# Altium PCB UmTRXv21.PcbDoc (part 6 of 19) (continued)
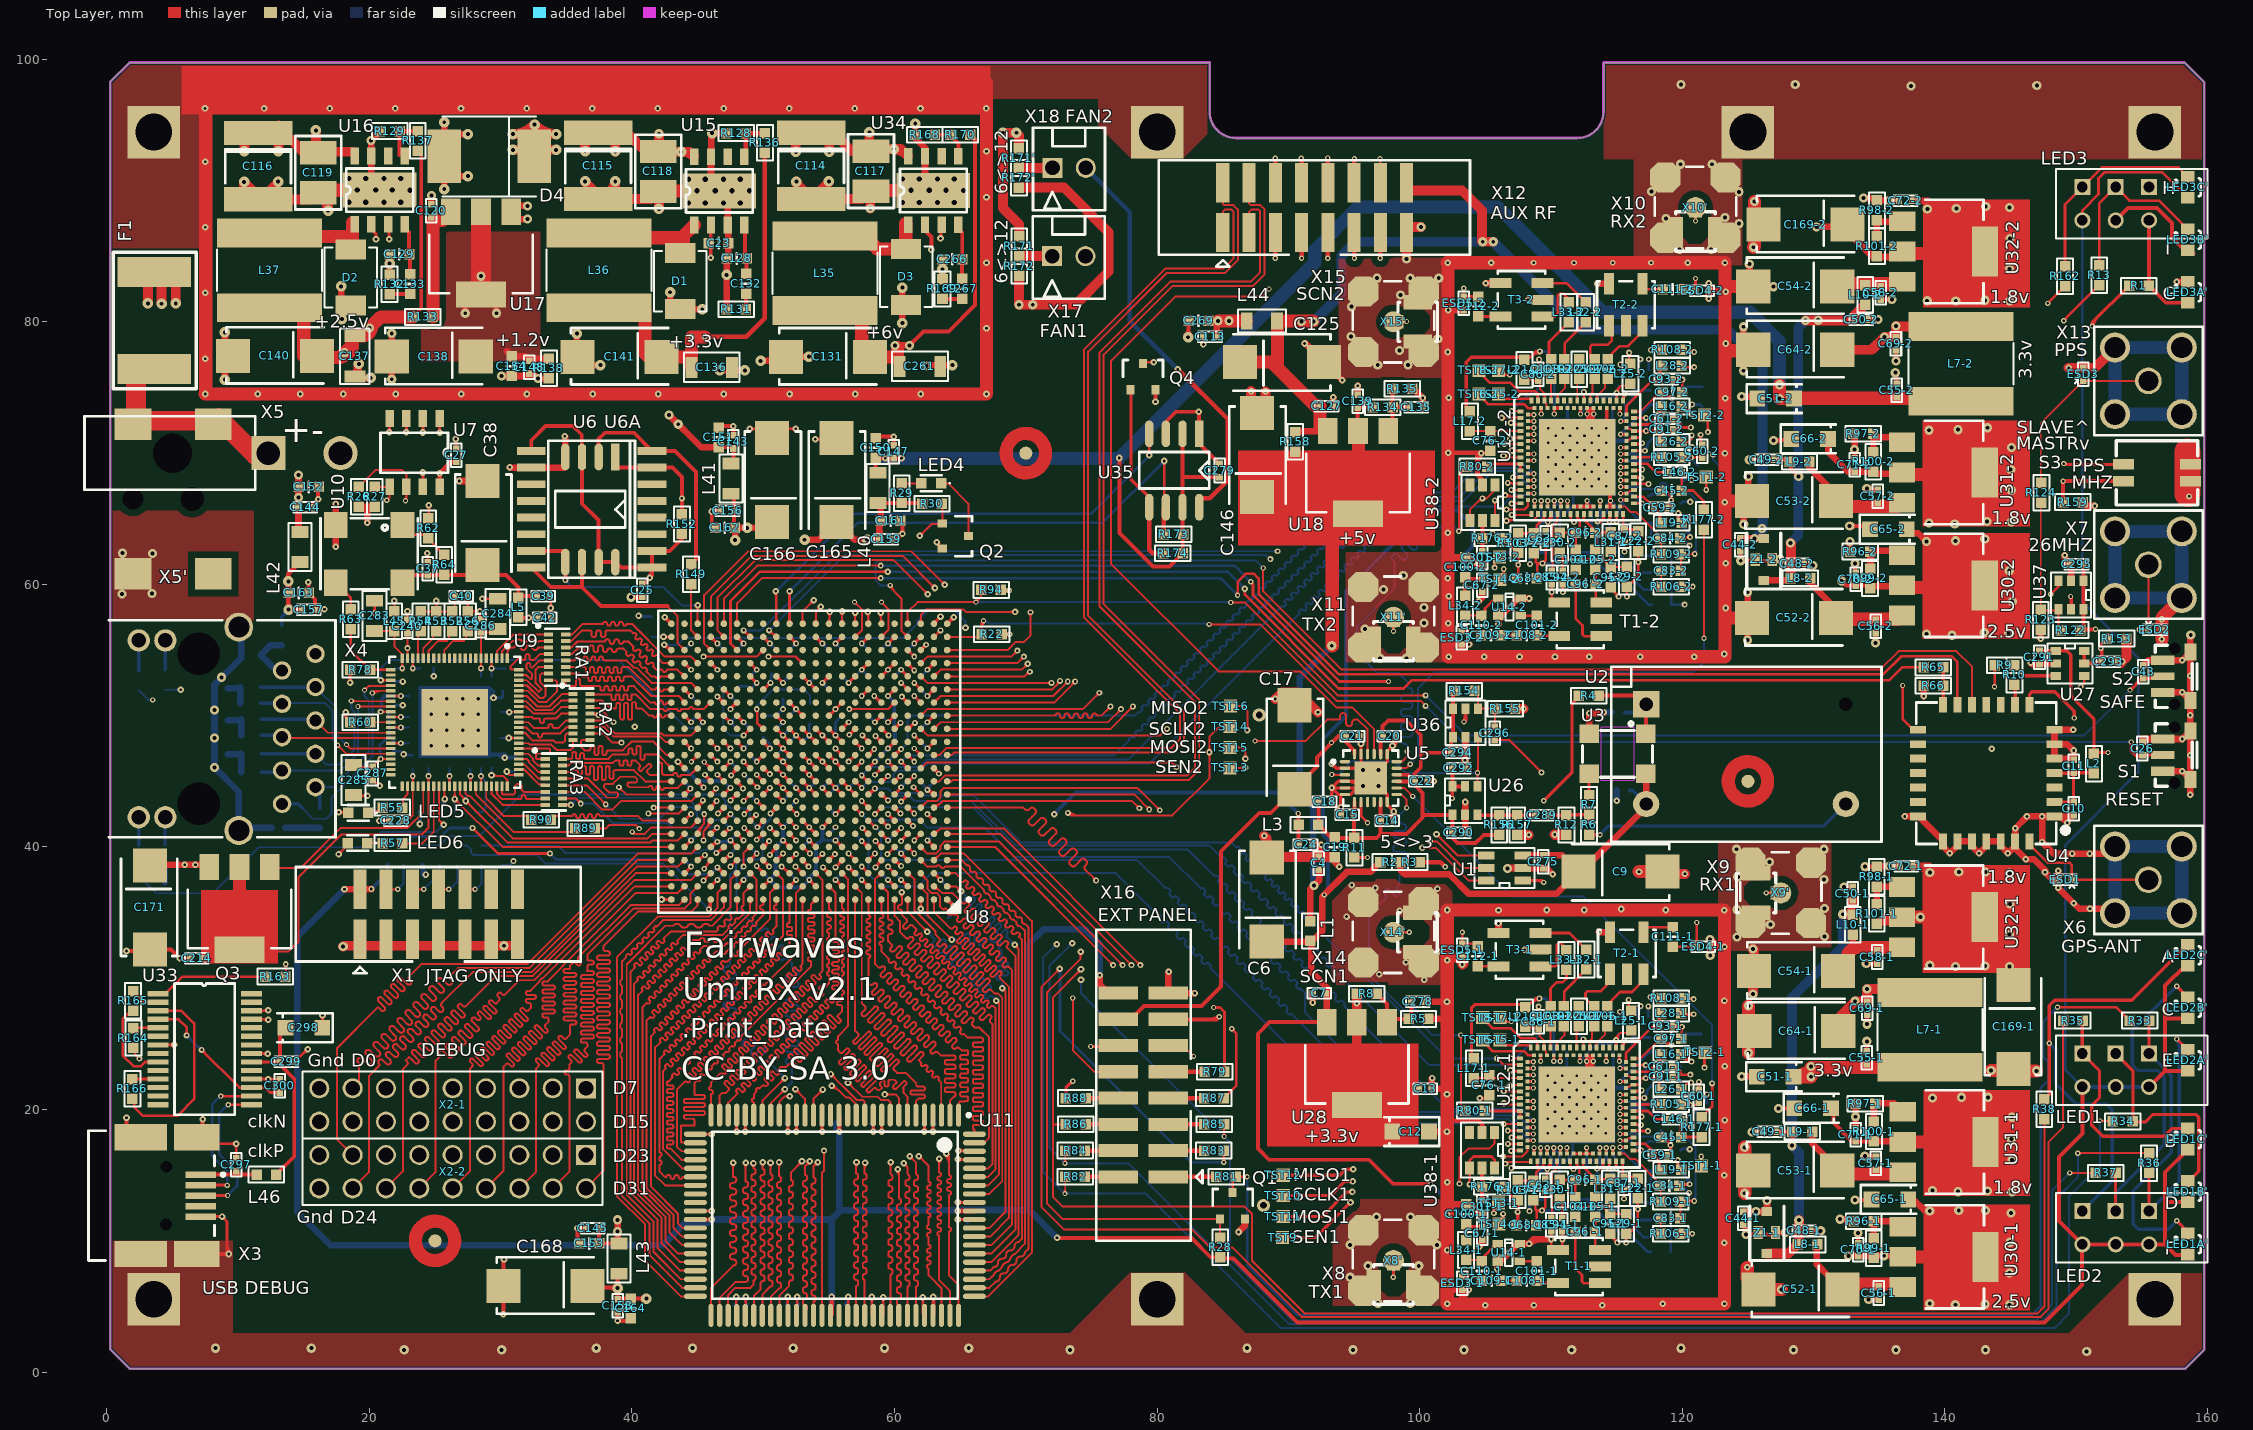
[diagram p0: Top Layer view]
## Nets (pads, with @x,y where several pads share a name; then routed paths per layer and width w, separated by ;. In a path a pad name is that pad's centre, name@x,y a point inside that pad or via, vN(x,y) a via of type N, cw(c..) or ccw(c..) an arc to the next point about the centre after c; other vN are vias at no path point) (continued)
  MidLayer1 w0.15: v4(3.5,51.2) 10.7,51.2 12.25,49.65 14.075,49.65 15.325,50.9 16.75,50.9 17.425,51.575 17.425,53.025 18.5,54.1 45.85,54.1 46.25,54.5 v1(50.4,54.5) ; v4@3.588,51.112 cw(c3.802,50.898) 3.802,51.2 cw(c3.802,51.502) v4@3.588,51.288 ; v1@50.294,54.394 ccw(c50.038,54.138) 50.038,54.5 ccw(c50.038,54.862) v1@50.294,54.606
  Bottom Layer w0.15: R42.2@2.425,51.925 3.15,51.2 v4(3.5,51.2) ; v4@3.412,51.112 ccw(c3.198,50.898) 3.198,51.2 ccw(c3.198,51.502) v4@3.412,51.288
FAN_ON: U8.AB14 U35.4 | length 38.9
  Top Layer w0.2: v2@50.844,59.369 cw(c50.467,58.992) 51,58.992 ; U8.AB14@50.894,57.106 ccw(c50.638,57.362) 51,57.362 ccw(c51.362,57.362) U8.AB14@51.106,57.106 ; v2(50.95,59.475) 51,59.425 U8.AB14@51,57 ; v2(79.4,69.825) U35.4@79.4,71.929
  Bottom Layer w0.2: v2(50.95,59.475) 56.85,65.375 74.95,65.375 v2(79.4,69.825) ; v2@50.95,59.625 ccw(c50.95,59.987) 51.206,59.731 ccw(c51.462,59.475) v2@51.1,59.475
FLASH_CLK: U6.6 U6A.16 U8.Y21 | length 18.7
  Top Layer w0.15: U6A.16@32.325,61.28 U6A.16@32.995,61.28 ; 42.7,58.35 43.45,57.6 43.45,55.55 U8.Y21@44,55 ; U8.Y21@43.825,55 ccw(c43.403,55) 43.701,55.299 ccw(c44,55.597) U8.Y21@44,55.175
  Top Layer w0.3: U6A.16@32.325,61.28 33.82,59.785 36.19,59.785 ; U6.6@36.19,61.7 36.19,59.785 ; 42.7,58.35 37.625,58.35 36.19,59.785
FLASH_CS: R152.2 U6.1 U6A.7 U8.T5 | length 40.6
  Top Layer w0.15: v1(56.55,50.5) 59.5,50.5 U8.T5@60,51 ; v1@56.656,50.394 cw(c56.912,50.138) 56.912,50.5 cw(c56.912,50.862) v1@56.656,50.606 ; U8.T5@59.825,51 cw(c59.403,51) 59.701,50.701 cw(c60,50.403) U8.T5@60,50.825
  Top Layer w0.3: U6.1@38.73,69.7 38.73,69.145 38.975,68.9 U6A.7@41.525,68.9 43.075,68.9 43.8,68.175 v1(43.8,66.55) R152.2@43.8,65.35
  Mid-Layer 2 w0.15: v1@43.694,66.444 cw(c43.498,66.248) 43.775,66.248 ; 43.775,66.128 cw(c44.222,66.128) v1@43.906,66.444 ; v1(43.8,66.55) 43.775,66.525 43.775,57.325 46.075,55.025 53.576,55.025 56.05,52.551 56.05,51 v1(56.55,50.5) ; v1@56.4,50.5 ccw(c56.038,50.5) 56.294,50.756 ccw(c56.55,51.012) v1@56.55,50.65
FLASH_MISO: R149.1 U8.AA20 | length 4.8
  Top Layer w0.15: R149.1@44.5,59.962 44.5,56.5 U8.AA20@45,56 ; U8.AA20@44.825,56 ccw(c44.403,56) 44.701,56.299 ccw(c45,56.597) U8.AA20@45,56.175
FLASH_MOSI: U6.5 U6A.15 U8.AB20 | length 19.6
  Top Layer w0.15: U6.5@34.77,62.555 U6.5@34.92,62.405 ; U8.AB20@44.876,57.124 ccw(c44.578,57.422) 45,57.422 ccw(c45.422,57.422) U8.AB20@45.124,57.124 ; v2@44.876,58.276 cw(c44.578,57.978) 45,57.978 cw(c45.422,57.978) v2@45.124,58.276 ; U8.AB20@45,57 v2(45,58.4)
  Top Layer w0.3: U6A.15@32.325,62.555 U6.5@34.77,62.555 ; v1(34.92,60.32) U6.5@34.92,61.7 U6.5@34.92,62.405
  Bottom Layer w0.15: v1@34.92,60.17 cw(c34.92,59.808) 35.176,60.064 cw(c35.432,60.32) v1@35.07,60.32 ; v1(34.92,60.32) 35.44,59.8 42.4,59.8 43.8,58.4 v2(45,58.4) ; v2@44.876,58.276 ccw(c44.578,57.978) 44.578,58.4 ccw(c44.578,58.822) v2@44.876,58.524
FPGA_PRG_B: C26.1 R22.2 S1.1 U8.AA1 X16.11 | length 146.8
  Top Layer w0.15: U8.AA1@64,56 66.4,56 R22.2@66.625,56.225 ; U8.AA1@64.124,55.876 cw(c64.422,55.578) 64.422,56 cw(c64.422,56.422) U8.AA1@64.124,56.124 ; R22.2@66.625,56.561 cw(c67.439,56.561) v4@66.863,57.137 ; 66.625,56.923 cw(c67.077,56.923) v4@66.757,57.243 ; R22.2@66.65,56.2 R22.2@66.625,56.225 ; v4@66.655,57.191 cw(c66.542,57.158) 66.625,57.075 ; v4@66.741,57.105 ccw(c66.708,56.992) 66.625,57.075 ; v4(66.775,57.225) 66.625,57.075 ; X16.11@80.85,24.875 81.95,24.875 v4(82.775,24.05) ; v4@82.65,24.05 ccw(c82.348,24.05) 82.562,24.263 ccw(c82.775,24.477) v4@82.775,24.175 ; v4(83.954,56.953) 87.847,56.953 93.675,51.125 100.075,51.125 v1(100.45,50.75) ; v4@84.042,56.864 cw(c84.256,56.651) 84.256,56.953 cw(c84.256,57.255) v4@84.042,57.041 ; R22.2@66.625,56.225 66.625,57.075
  Top Layer w0.25: v4(154.2,48) 154.2,47.3 154.6,46.9 154.95,46.9 C26.1@155.05,47 S1.1@156.6,47
  Mid-Layer 2 w0.15: v4@66.775,57.1 cw(c66.775,56.798) 66.988,57.012 cw(c67.202,57.225) v4@66.9,57.225 ; v4(66.775,57.225) 67.125,56.875 67.125,41.07 75.125,33.07 75.125,31.7 v4(82.775,24.05) ; v4@82.65,24.05 ccw(c82.348,24.05) 82.562,24.263 ccw(c82.775,24.477) v4@82.775,24.175 ; v4@83.882,57.025 v4(83.954,56.953)
  Bottom Layer w0.15: v4@66.766,57.248 cw(c66.868,56.991) 67.063,57.187 ; v4(66.775,57.225) 67.025,57.225 ; v4@66.821,57.109 cw(c66.959,56.759) 67.225,57.025 ; v4@66.875,57.15 cw(c67.025,57.038) 67.025,57.225 ; v4@66.875,57.3 ccw(c67.025,57.412) 67.025,57.225 ; 83.478,57.025 cw(c83.478,56.477) v4@83.866,56.864 ; v4@83.882,57.025 67.225,57.025 ; v1@100.45,50.6 cw(c100.45,50.238) 100.706,50.494 cw(c100.962,50.75) v1@100.6,50.75 ; v1(100.45,50.75) 103.2,48 v4(154.2,48) ; v4@154.112,47.912 ccw(c153.898,47.698) 153.898,48 ccw(c153.898,48.302) v4@154.112,48.088 ; 67.025,57.225 67.225,57.025
FPGA_SAFE: C43.2 R94.2 S2.1 U8.AB4 X16.10 | length 151.8
  Top Layer w0.15: U8.AB4@60.876,57.124 ccw(c60.578,57.422) 61,57.422 ccw(c61.422,57.422) U8.AB4@61.124,57.124 ; U8.AB4@61,57 61,57.9 61.75,58.65 v4(66.2,58.65) 66.6,59.05 R94.2@66.6,59.55 ; v4@66.112,58.562 ccw(c65.898,58.348) 65.898,58.65 ccw(c65.898,58.952) v4@66.112,58.738 ; v4@66.2,58.775 ccw(c66.2,59.077) 66.413,58.863 ccw(c66.627,58.65) v4@66.325,58.65 ; v4@73.487,28.412 cw(c73.273,28.198) 73.575,28.198 cw(c73.877,28.198) v4@73.663,28.412 ; v4(73.575,28.5) 73.575,24.525 75.225,22.875 X16.10@77.05,22.875 ; v4(85.6,58.625) 86.675,58.625 93.75,51.55 v1(100.45,51.55) ; v4@85.688,58.537 cw(c85.902,58.323) 85.902,58.625 cw(c85.902,58.927) v4@85.688,58.713 ; v1@100.344,51.444 ccw(c100.088,51.188) 100.088,51.55 ccw(c100.088,51.912) v1@100.344,51.656
  Top Layer w0.25: v4(154.1,51.95) 155,52.85 C43.2@155.1,52.85 156.45,52.85 S2.1@156.6,53
  Mid-Layer 2 w0.15: v4@66.112,58.562 cw(c65.898,58.348) 66.2,58.348 cw(c66.502,58.348) v4@66.288,58.562 ; v4(66.2,58.65) 66.2,56.825 66.7,56.325 66.7,40.75 74.7,32.75 74.7,29.625 v4(73.575,28.5) ; v4@73.575,28.625 ccw(c73.575,28.927) 73.788,28.713 ccw(c74.002,28.5) v4@73.7,28.5
  Bottom Layer w0.15: v4(66.2,58.65) 85.575,58.65 v4(85.6,58.625) ; v4@66.288,58.562 cw(c66.502,58.348) 66.502,58.65 cw(c66.502,58.952) v4@66.288,58.738 ; 85.238,58.65 cw(c85.238,58.263) v4@85.512,58.537 ; 85.359,58.65 ccw(c85.359,58.866) v4@85.512,58.713 ; v1@100.45,51.4 cw(c100.45,51.038) 100.706,51.294 cw(c100.962,51.55) v1@100.6,51.55 ; v1(100.45,51.55) 103.5,48.5 150.63,48.5 154.08,51.95 v4(154.1,51.95)
GMII_COL: RA2.11 U8.N22 | length 7.3
  Top Layer w0.15: RA2.11@36.8,49.15 37.85,49.15 38.6,48.4 42.15,48.4 42.55,48 U8.N22@43,48 ; U8.N22@42.876,47.876 ccw(c42.578,47.578) 42.578,48 ccw(c42.578,48.422) U8.N22@42.876,48.124
GMII_CRS: RA2.12 U8.P20 | length 9.5
  Top Layer w0.15: RA2.12@36.8,49.65 37.704,49.65 38.704,48.65 42.254,48.65 42.404,48.5 44.5,48.5 U8.P20@45,49 ; U8.P20@44.825,49 cw(c44.403,49) 44.701,48.701 cw(c45,48.403) U8.P20@45,48.825
GMII_GTX_CLK: RA2.14 U8.H21 | length 15.9
  Top Layer w0.15: RA2.14@36.85,50.6 37.5,50.6 v1@38.5,49.6 ; v1@38.45,49.5 ccw(c38.088,49.5) 38.344,49.756 ccw(c38.6,50.012) v1@38.6,49.65 ; v1(41.25,42.55) 43.55,42.55 U8.H21@44,43 ; v1@41.356,42.444 cw(c41.612,42.188) 41.612,42.55 cw(c41.612,42.912) v1@41.356,42.656 ; U8.H21@43.825,43 cw(c43.403,43) 43.701,42.701 cw(c44,42.403) U8.H21@44,42.825
  MidLayer1 w0.15: v1@38.494,49.394 cw(c38.238,49.138) 38.6,49.138 cw(c38.962,49.138) v1@38.706,49.394 ; v1@38.6,49.45 38.6,47.8 40.7,45.7 40.7,43.1 v1(41.25,42.55) ; v1@41.1,42.55 ccw(c40.738,42.55) 40.994,42.806 ccw(c41.25,43.062) v1@41.25,42.7
  other v1: 38.6,49.5
GMII_RX_CLK: RA2.10 U8.H22 | length 16.2
  Top Layer w0.15: RA2.10@36.8,48.65 37.8,48.65 38.5,47.95 v1(39.2,47.95) ; v1@39.094,47.844 ccw(c38.838,47.588) 38.838,47.95 ccw(c38.838,48.312) v1@39.094,48.056 ; v1(41.65,43) U8.H22@43,43 ; v1@41.756,42.894 cw(c42.012,42.638) 42.012,43 cw(c42.012,43.362) v1@41.756,43.106 ; U8.H22@42.876,42.876 ccw(c42.578,42.578) 42.578,43 ccw(c42.578,43.422) U8.H22@42.876,43.124
  MidLayer1 w0.15: v1@39.2,47.8 cw(c39.2,47.438) 39.456,47.694 cw(c39.712,47.95) v1@39.35,47.95 ; v1(39.2,47.95) 41.65,45.5 41.65,45.25 cw(c41.625,45.25) 41.625,45.225 41.39,45.225 ccw(c41.39,45.085) 41.25,45.085 41.25,45.015 ccw(c41.39,45.015) 41.39,44.875 41.91,44.875 cw(c41.91,44.735) 42.05,44.735 42.05,44.665 cw(c41.91,44.665) 41.91,44.525 41.39,44.525 ccw(c41.39,44.385) 41.25,44.385 41.25,44.315 ccw(c41.39,44.315) 41.39,44.175 41.91,44.175 cw(c41.91,44.035) 42.05,44.035 42.05,43.965 cw(c41.91,43.965) 41.91,43.825 41.39,43.825 ccw(c41.39,43.685) 41.25,43.685 41.25,43.615 ccw(c41.39,43.615) 41.39,43.475 41.51,43.475 cw(c41.51,43.335) 41.65,43.335 ; v1@41.55,43.112 ccw(c41.351,43.335) 41.65,43.335 ; v1(41.65,43) 41.65,43.335 ; v1@41.75,43.112 cw(c41.949,43.335) 41.65,43.335
GMII_RX_DV: RA3.16 U8.L22 | length 13.6
  Top Layer w0.15: RA3.16@34.7,46.7 35.33,46.7 ccw(c35.33,46.82) 35.45,46.82 35.45,47.103 cw(c35.57,47.103) 35.57,47.223 35.63,47.223 cw(c35.63,47.103) 35.75,47.103 35.75,46.82 ccw(c35.87,46.82) 35.87,46.7 35.93,46.7 ccw(c35.93,46.82) 36.05,46.82 36.05,47.021 cw(c36.17,47.021) 36.17,47.141 36.23,47.141 cw(c36.23,47.021) 36.35,47.021 36.35,46.82 ccw(c36.47,46.82) 36.47,46.7 38.2,46.7 38.55,47.05 39.63,47.05 ccw(c39.63,47.17) 39.75,47.17 39.75,47.397 cw(c39.87,47.397) 39.87,47.517 39.93,47.517 cw(c39.93,47.397) 40.05,47.397 40.05,47.17 ccw(c40.17,47.17) 40.17,47.05 40.23,47.05 ccw(c40.23,47.17) 40.35,47.17 40.35,47.58 cw(c40.47,47.58) 40.47,47.7 40.53,47.7 cw(c40.53,47.58) 40.65,47.58 40.65,46.753 ccw(c40.77,46.753) 40.77,46.633 40.83,46.633 ccw(c40.83,46.753) 40.95,46.753 40.95,46.93 cw(c41.07,46.93) 41.07,47.05 41.95,47.05 U8.L22@43,46 ; U8.L22@42.825,46 ccw(c42.403,46) 42.701,46.299 ccw(c43,46.597) U8.L22@43,46.175
GMII_RX_ER: RA2.9 U8.M22 | length 11.6
  Top Layer w0.15: RA2.9@36.8,48.15 36.2,48.15 36.1,48.05 36.1,47.65 36.4,47.35 36.7,47.35 ccw(c36.7,47.5) 36.85,47.5 36.85,47.56 cw(c37,47.56) 37,47.71 cw(c37,47.56) 37.15,47.56 37.15,47.14 ccw(c37.3,47.14) 37.3,46.99 ccw(c37.3,47.14) 37.45,47.14 37.45,47.56 cw(c37.6,47.56) 37.6,47.71 cw(c37.6,47.56) 37.75,47.56 37.75,47.14 ccw(c37.9,47.14) 37.9,46.99 ccw(c37.9,47.14) 38.05,47.14 38.05,47.2 cw(c38.2,47.2) 38.2,47.35 39.3,47.35 40,48.05 41.6,48.05 42.65,47 ; U8.M22@42.86,46.895 ccw(c42.65,46.738) 42.65,47 ; U8.M22@42.86,47.105 cw(c42.65,47.262) 42.65,47 ; U8.M22@43,47 42.65,47
GMII_RXD0: RA3.15 U8.L20 | length 16.5
  Top Layer w0.15: RA3.15@34.7,46.2 35.15,46.2 35.35,46.4 38.55,46.4 38.75,46.6 39,46.6 cw(c39,46.55) 39.05,46.55 39.05,46.32 ccw(c39.17,46.32) 39.17,46.2 39.23,46.2 ccw(c39.23,46.32) 39.35,46.32 39.35,46.48 cw(c39.47,46.48) 39.47,46.6 39.53,46.6 cw(c39.53,46.48) 39.65,46.48 39.65,46.32 ccw(c39.77,46.32) 39.77,46.2 39.83,46.2 ccw(c39.83,46.32) 39.95,46.32 39.95,46.48 cw(c40.07,46.48) 40.07,46.6 40.235,46.6 40.583,46.252 cw(c40.498,46.167) 40.583,46.082 40.541,46.04 ccw(c40.626,45.955) 40.541,45.87 40.583,45.827 ccw(c40.668,45.912) 40.753,45.827 41.222,46.297 ; 41.222,46.297 cw(c41.307,46.212) 41.392,46.297 41.434,46.254 ; 41.435,46.254 cw(c41.35,46.169) 41.434,46.084 41.177,45.827 ccw(c41.262,45.743) 41.177,45.658 41.335,45.5 41.88,45.5 ccw(c41.88,45.62) 42,45.62 42,46.297 cw(c42.12,46.297) 42.12,46.417 42.18,46.417 cw(c42.18,46.297) 42.3,46.297 42.3,45.62 ccw(c42.42,45.62) 42.42,45.5 43.15,45.5 cw(c43.3,45.5) 43.45,45.5 ccw(c43.6,45.5) 43.75,45.5 44.45,45.5 U8.L20@44.975,46.025 ; 44.616,45.666 cw(c45,45.282) U8.L20@45,45.825 ; 44.737,45.787 ccw(c44.523,46) U8.L20@44.825,46
GMII_RXD1: RA3.14 U8.K22 | length 16.5
  Top Layer w0.15: RA3.14@34.7,45.7 35.3,45.7 35.45,45.85 35.78,45.85 cw(c35.78,45.73) 35.9,45.73 35.9,45.626 ccw(c36.02,45.626) 36.02,45.506 36.08,45.506 ccw(c36.08,45.626) 36.2,45.626 36.2,46.03 cw(c36.32,46.03) 36.32,46.15 36.38,46.15 cw(c36.38,46.03) 36.5,46.03 36.5,45.626 ccw(c36.62,45.626) 36.62,45.506 36.68,45.506 ccw(c36.68,45.626) 36.8,45.626 36.8,46.03 cw(c36.92,46.03) 36.92,46.15 36.98,46.15 cw(c36.98,46.03) 37.1,46.03 37.1,45.21 ccw(c37.22,45.21) 37.22,45.09 37.28,45.09 ccw(c37.28,45.21) 37.4,45.21 37.4,46.03 cw(c37.52,46.03) 37.52,46.15 37.58,46.15 cw(c37.58,46.03) 37.7,46.03 37.7,45.22 ccw(c37.82,45.22) 37.82,45.1 37.88,45.1 ccw(c37.88,45.22) 38,45.22 38,46.03 cw(c38.12,46.03) 38.12,46.15 38.18,46.15 cw(c38.18,46.03) 38.3,46.03 38.3,45.31 ccw(c38.42,45.31) 38.42,45.19 38.48,45.19 ccw(c38.48,45.31) 38.6,45.31 38.6,45.73 cw(c38.72,45.73) 38.72,45.85 40.15,45.85 41,45 U8.K22@43,45 ; U8.K22@42.876,44.876 ccw(c42.578,44.578) 42.578,45 ccw(c42.578,45.422) U8.K22@42.876,45.124
GMII_RXD2: RA3.13 U8.K21 | length 16.5
  Top Layer w0.15: RA3.13@34.7,45.2 36.65,45.2 38.1,43.75 38.8,43.75 38.95,43.9 38.95,44.05 38.85,44.15 38.25,44.15 37.85,44.55 37.85,44.7 37.95,44.8 38.55,44.8 39.1,45.35 40.2,45.35 40.4,45.15 40.4,45 40.3,44.9 39.7,44.9 39.65,44.85 39.65,44.7 39.8,44.55 41.249,44.55 41.333,44.634 cw(c41.4,44.5) 41.55,44.5 ccw(c41.7,44.5) 41.85,44.5 cw(c42,44.5) 42.15,44.5 ccw(c42.3,44.5) 42.45,44.5 43.5,44.5 U8.K21@44,45 ; U8.K21@43.825,45 cw(c43.403,45) 43.701,44.701 cw(c44,44.403) U8.K21@44,44.825
GMII_RXD3: RA3.12 U8.F18 | length 19.8
  Top Layer w0.15: RA3.12@34.7,44.7 36.55,44.7 v1(38,43.25) ; v1@37.85,43.25 ccw(c37.488,43.25) 37.744,43.506 ccw(c38,43.762) v1@38,43.4 ; U8.F18@46.983,41.174 ccw(c46.943,41.599) v1@47.312,41.386 ; U8.F18@47,41 47.45,41.45 v1(47.45,41.425) ; U8.F18@47,41.175 ccw(c47,41.597) 47.299,41.299 ccw(c47.597,41) U8.F18@47.175,41 ; U8.F18@47.043,41.17 ccw(c47.085,41.336) 47.234,41.25 ; U8.F18@47.045,41.169 ccw(c47.106,41.395) 47.222,41.192 ; U8.F18@47.151,41.151 cw(c47.45,40.853) v1@47.45,41.275 ; U8.F18@47.174,40.98 cw(c47.565,40.935) v1@47.368,41.277 ; 47.212,41.212 ccw(c46.998,41.425) v1@47.3,41.425
  Bottom Layer w0.15: v1@38,43.1 cw(c38,42.738) 38.256,42.994 cw(c38.512,43.25) v1@38.15,43.25 ; v1(38,43.25) 39.1,42.15 42.1,42.15 43,43.05 44.551,43.05 44.925,42.676 44.925,42.475 44.95,42.45 44.95,42.3 45.2,42.05 46.825,42.05 v1(47.45,41.425) ; 47.194,41.681 cw(c46.938,41.425) v1@47.3,41.425 ; 47.194,41.681 ccw(c47.45,41.937) v1@47.45,41.575
GMII_RXD4: RA3.11 U8.J20 | length 12
  Top Layer w0.15: RA3.11@34.7,44.2 36.4,44.2 37.75,42.85 38.5,42.85 39.15,43.5 44.5,43.5 U8.J20@45,44 ; U8.J20@44.825,44 cw(c44.403,44) 44.701,43.701 cw(c45,43.403) U8.J20@45,43.825
GMII_RXD5: RA3.10 U8.F19 | length 17.8
  Top Layer w0.15: RA3.10@34.7,43.7 35.7,43.7 v1(36.1,43.3) ; v1@35.95,43.3 ccw(c35.588,43.3) 35.844,43.556 ccw(c36.1,43.812) v1@36.1,43.45 ; U8.F19@45.973,41.173 ccw(c45.892,41.682) v1@46.339,41.424 ; U8.F19@46,41 46.45,41.45 v1@46.521,41.379 ; U8.F19@46,41.175 ccw(c46,41.597) 46.299,41.299 ccw(c46.597,41) U8.F19@46.175,41 ; U8.F19@46.037,41.171 ccw(c46.079,41.36) 46.246,41.263 ; U8.F19@46.171,41.038 cw(c46.355,41.08) 46.261,41.244 ; U8.F19@46.173,40.973 cw(c46.681,40.892) v1@46.424,41.338 ; 46.22,41.22 cw(c46.478,40.963) v1@46.478,41.327 ; 46.222,41.222 ccw(c45.968,41.477) v1@46.328,41.477
  Bottom Layer w0.15: v1(36.1,43.3) 37.05,43.3 38.525,41.825 42.725,41.825 43.05,41.5 46.455,41.5 v1(46.478,41.477) ; v1@36.206,43.194 cw(c36.462,42.938) 36.462,43.3 cw(c36.462,43.662) v1@36.206,43.406 ; 46.06,41.5 cw(c46.06,41.059) v1@46.372,41.371 ; 46.171,41.5 ccw(c46.171,41.784) v1@46.372,41.583
GMII_RXD6: RA3.9 U8.F20 | length 17.7
  Top Layer w0.15: RA3.9@34.7,43.2 v2(35.35,43.2) ; v2@35.226,43.076 ccw(c34.928,42.778) 34.928,43.2 ccw(c34.928,43.622) v2@35.226,43.324 ; U8.F20@44.875,41 cw(c45.237,41) 44.981,41.256 ; U8.F20@44.926,41.159 ccw(c44.871,41.275) 45,41.275 ; U8.F20@45,41 45,41.275 ; U8.F20@45.025,41 cw(c45.749,41) 45.237,41.512 ; U8.F20@45.074,41.159 cw(c45.129,41.275) 45,41.275 ; U8.F20@45.175,41 cw(c46.261,41) 45.493,41.768 ; v1@45.394,42.394 cw(c45.138,42.138) 45.5,42.138 cw(c45.862,42.138) v1@45.606,42.394 ; v1(45.5,42.5) 45.5,41.775 45,41.275
  Bottom Layer w0.15: v2(35.35,43.2) 35.9,43.75 44.205,43.75 45.175,42.78 45.175,42.756 ; v2@35.35,43.375 ccw(c35.35,43.797) 35.649,43.499 ccw(c35.947,43.2) v2@35.525,43.2 ; 45.293,42.638 cw(c45.155,42.5) v1@45.35,42.5 ; v1@45.483,42.649 cw(c45.439,43.02) 45.175,42.756 ; v1(45.5,42.5) 45.431,42.5 45.175,42.756
GMII_RXD7: R90.1 U8.G22 | length 11.1
  Top Layer w0.15: R90.1@33.9,42.35 35.45,42.35 cw(c35.6,42.35) 35.75,42.35 ccw(c35.9,42.35) 36.05,42.35 cw(c36.2,42.35) 36.35,42.35 ccw(c36.5,42.35) 36.65,42.35 cw(c36.8,42.35) 36.95,42.35 ccw(c37.1,42.35) 37.25,42.35 cw(c37.4,42.35) 37.55,42.35 40.475,42.35 40.825,42 U8.G22@43,42 ; U8.G22@42.876,41.876 ccw(c42.578,41.578) 42.578,42 ccw(c42.578,42.422) U8.G22@42.876,42.124
GMII_TX_CLK: RA2.13 U8.J22 | length 15.9
  Top Layer w0.15: RA2.13@36.8,50.15 v1@37.55,50.15 ; RA2.13@36.846,50.15 cw(c36.846,49.446) v1@37.344,49.944 ; 37.209,50.15 cw(c37.209,49.809) v1(37.45,50.05) ; v1@39,44.4 cw(c39,44.038) 39.256,44.294 cw(c39.512,44.55) v1@39.15,44.55 ; v1(39,44.55) 39.55,44 U8.J22@43,44 ; U8.J22@42.876,43.876 ccw(c42.578,43.578) 42.578,44 ccw(c42.578,44.422) U8.J22@42.876,44.124
  MidLayer1 w0.15: v1@37.323,49.971 ccw(c37,49.77) 37,50.15 ; v1@37.55,50.15 37,50.15 ; v1@38.894,44.444 ccw(c38.638,44.188) 38.638,44.55 ccw(c38.638,44.912) v1@38.894,44.656 ; v1(39,44.55) 38.45,44.55 36.3,46.7 36.3,49.45 37,50.15
GMII_TX_EN: RA2.16 U8.T19 | length 13.2
  Top Layer w0.15: RA2.16@36.8,51.65 36.821,51.629 38.33,51.629 cw(c38.33,51.509) 38.45,51.509 38.45,51.299 ccw(c38.57,51.299) 38.57,51.179 38.63,51.179 ccw(c38.63,51.299) 38.75,51.299 38.75,51.509 cw(c38.87,51.509) 38.87,51.629 38.93,51.629 cw(c38.93,51.509) 39.05,51.509 39.05,51.299 ccw(c39.17,51.299) 39.17,51.179 39.23,51.179 ccw(c39.23,51.299) 39.35,51.299 39.35,51.509 cw(c39.47,51.509) 39.47,51.629 39.53,51.629 cw(c39.53,51.509) 39.65,51.509 39.65,51.299 ccw(c39.77,51.299) 39.77,51.179 39.83,51.179 ccw(c39.83,51.299) 39.95,51.299 39.95,51.579 cw(c40,51.579) 40,51.629 40.271,51.629 41.4,50.5 42.4,50.5 ccw(c42.55,50.5) 42.7,50.5 43.45,50.5 ccw(c43.6,50.5) 43.75,50.5 44.35,50.5 cw(c44.5,50.5) 44.65,50.5 45.45,50.5 U8.T19@45.975,51.025 ; 45.616,50.666 cw(c46,50.282) U8.T19@46,50.825 ; 45.737,50.787 ccw(c45.523,51) U8.T19@45.825,51
GMII_TX_ER: RA2.15 U8.R22 | length 13.3
  Top Layer w0.15: RA2.15@36.8,51.15 37.75,51.15 38.35,50.55 38.68,50.55 ccw(c38.68,50.67) 38.8,50.67 38.8,50.848 cw(c38.92,50.848) 38.92,50.968 38.98,50.968 cw(c38.98,50.848) 39.1,50.848 39.1,49.822 ccw(c39.22,49.822) 39.22,49.702 39.28,49.702 ccw(c39.28,49.822) 39.4,49.822 39.4,50.848 cw(c39.52,50.848) 39.52,50.968 39.58,50.968 cw(c39.58,50.848) 39.7,50.848 39.7,49.82 ccw(c39.82,49.82) 39.82,49.7 39.88,49.7 ccw(c39.88,49.82) 40,49.82 40,50.905 cw(c40.12,50.905) 40.12,51.025 40.18,51.025 cw(c40.18,50.905) 40.3,50.905 40.3,50.67 ccw(c40.42,50.67) 40.42,50.55 40.75,50.55 41.3,50 41.6,50 ccw(c41.75,50) 41.9,50 cw(c42.05,50) 42.2,50 ccw(c42.35,50) 42.5,50 U8.R22@43,50 ; U8.R22@42.876,49.876 ccw(c42.578,49.578) 42.578,50 ccw(c42.578,50.422) U8.R22@42.876,50.124
GMII_TXD0: RA1.9 U8.T22 | length 12.8
  Top Layer w0.15: RA1.9@34.95,52.7 34.95,52.35 35.05,52.25 35.615,52.25 ccw(c35.615,52.385) 35.75,52.385 35.75,52.683 cw(c35.885,52.683) 35.885,52.818 35.915,52.818 cw(c35.915,52.683) 36.05,52.683 36.05,52.385 ccw(c36.185,52.385) 36.185,52.25 37.48,52.25 cw(c37.48,52.13) 37.6,52.13 37.6,52.02 ccw(c37.72,52.02) 37.72,51.9 37.78,51.9 ccw(c37.78,52.02) 37.9,52.02 37.9,52.13 cw(c38.02,52.13) 38.02,52.25 38.08,52.25 cw(c38.08,52.13) 38.2,52.13 38.2,52.02 ccw(c38.32,52.02) 38.32,51.9 38.38,51.9 ccw(c38.38,52.02) 38.5,52.02 38.5,52.13 cw(c38.62,52.13) 38.62,52.25 38.68,52.25 cw(c38.68,52.13) 38.8,52.13 38.8,52.02 ccw(c38.92,52.02) 38.92,51.9 38.98,51.9 ccw(c38.98,52.02) 39.1,52.02 39.1,52.13 cw(c39.22,52.13) 39.22,52.25 39.28,52.25 cw(c39.28,52.13) 39.4,52.13 39.4,52.02 ccw(c39.52,52.02) 39.52,51.9 39.58,51.9 ccw(c39.58,52.02) 39.7,52.02 39.7,52.13 cw(c39.82,52.13) 39.82,52.25 40.15,52.25 41.4,51 41.75,51 ccw(c41.9,51) 42.05,51 cw(c42.2,51) 42.35,51 ccw(c42.5,51) 42.65,51 ; U8.T22@42.86,50.895 ccw(c42.65,50.738) 42.65,51 ; U8.T22@42.86,51.105 cw(c42.65,51.262) 42.65,51 ; U8.T22@43,51 42.65,51
GMII_TXD1: RA1.10 U8.T21 | length 13.1
  Top Layer w0.15: RA1.10@34.95,53.2 36,53.2 36.221,52.979 36.551,52.979 cw(c36.551,52.859) 36.671,52.859 36.671,52.749 ccw(c36.791,52.749) 36.791,52.629 36.851,52.629 ccw(c36.851,52.749) 36.971,52.749 36.971,52.859 cw(c37.091,52.859) 37.091,52.979 37.151,52.979 cw(c37.151,52.859) 37.271,52.859 37.271,52.749 ccw(c37.391,52.749) 37.391,52.629 37.451,52.629 ccw(c37.451,52.749) 37.571,52.749 37.571,52.859 cw(c37.691,52.859) 37.691,52.979 37.751,52.979 cw(c37.751,52.859) 37.871,52.859 37.871,52.749 ccw(c37.991,52.749) 37.991,52.629 38.051,52.629 ccw(c38.051,52.749) 38.171,52.749 38.171,52.859 cw(c38.291,52.859) 38.291,52.979 38.351,52.979 cw(c38.351,52.859) 38.471,52.859 38.471,52.749 ccw(c38.591,52.749) 38.591,52.629 38.651,52.629 ccw(c38.651,52.749) 38.771,52.749 38.771,52.859 cw(c38.891,52.859) 38.891,52.979 38.951,52.979 cw(c38.951,52.859) 39.071,52.859 39.071,52.749 ccw(c39.191,52.749) 39.191,52.629 39.251,52.629 ccw(c39.251,52.749) 39.371,52.749 39.371,52.859 cw(c39.491,52.859) 39.491,52.979 39.971,52.979 41.45,51.5 43.55,51.5 U8.T21@44.025,51.025 ; 43.666,51.384 cw(c43.282,51) U8.T21@43.825,51 ; 43.787,51.263 ccw(c44,51.477) U8.T21@44,51.175
GMII_TXD2: RA1.11 U8.U22 | length 13.2
  Top Layer w0.15: RA1.11@34.95,53.7 36.38,53.7 cw(c36.38,53.58) 36.5,53.58 36.5,53.37 ccw(c36.62,53.37) 36.62,53.25 36.68,53.25 ccw(c36.68,53.37) 36.8,53.37 36.8,53.58 cw(c36.92,53.58) 36.92,53.7 36.98,53.7 cw(c36.98,53.58) 37.1,53.58 37.1,53.37 ccw(c37.22,53.37) 37.22,53.25 37.28,53.25 ccw(c37.28,53.37) 37.4,53.37 37.4,53.58 cw(c37.52,53.58) 37.52,53.7 37.58,53.7 cw(c37.58,53.58) 37.7,53.58 37.7,53.37 ccw(c37.82,53.37) 37.82,53.25 37.88,53.25 ccw(c37.88,53.37) 38,53.37 38,53.58 cw(c38.12,53.58) 38.12,53.7 38.18,53.7 cw(c38.18,53.58) 38.3,53.58 38.3,53.37 ccw(c38.42,53.37) 38.42,53.25 38.48,53.25 ccw(c38.48,53.37) 38.6,53.37 38.6,53.58 cw(c38.72,53.58) 38.72,53.7 38.78,53.7 cw(c38.78,53.58) 38.9,53.58 38.9,53.37 ccw(c39.02,53.37) 39.02,53.25 39.08,53.25 ccw(c39.08,53.37) 39.2,53.37 39.2,53.58 cw(c39.32,53.58) 39.32,53.7 39.75,53.7 41.45,52 41.8,52 cw(c41.95,52) 42.1,52 ccw(c42.25,52) 42.4,52 U8.U22@43,52 ; U8.U22@42.876,51.876 ccw(c42.578,51.578) 42.578,52 ccw(c42.578,52.422) U8.U22@42.876,52.124
GMII_TXD3: RA1.12 U8.U20 | length 13.1
  Top Layer w0.15: RA1.12@34.95,54.2 35.565,54.2 ccw(c35.565,54.335) 35.7,54.335 35.7,54.365 cw(c35.835,54.365) 35.835,54.5 35.865,54.5 cw(c35.865,54.365) 36,54.365 36,54.335 ccw(c36.135,54.335) 36.135,54.2 36.165,54.2 ccw(c36.165,54.335) 36.3,54.335 36.3,54.365 cw(c36.435,54.365) 36.435,54.5 36.465,54.5 cw(c36.465,54.365) 36.6,54.365 36.6,54.335 ccw(c36.735,54.335) 36.735,54.2 36.765,54.2 ccw(c36.765,54.335) 36.9,54.335 36.9,54.365 cw(c37.035,54.365) 37.035,54.5 37.065,54.5 cw(c37.065,54.365) 37.2,54.365 37.2,54.335 ccw(c37.335,54.335) 37.335,54.2 37.365,54.2 ccw(c37.365,54.335) 37.5,54.335 37.5,54.365 cw(c37.635,54.365) 37.635,54.5 37.665,54.5 cw(c37.665,54.365) 37.8,54.365 37.8,54.335 ccw(c37.935,54.335) 37.935,54.2 39.604,54.2 40.154,53.65 40.35,53.65 41.5,52.5 44.5,52.5 U8.U20@45,52 ; U8.U20@44.825,52 ccw(c44.403,52) 44.701,52.299 ccw(c45,52.597) U8.U20@45,52.175
GMII_TXD4: RA1.13 U8.V22 | length 13
  Top Layer w0.15: RA1.13@34.95,54.7 35.45,54.7 35.85,55.1 36.283,55.1 cw(c36.283,55.007) 36.375,55.007 ccw(c36.533,55.007) 36.533,54.85 36.568,54.85 ccw(c36.568,55.007) 36.725,55.007 36.725,55.192 cw(c36.883,55.192) 36.883,55.35 36.918,55.35 cw(c36.918,55.192) 37.075,55.192 37.075,55.007 ccw(c37.233,55.007) 37.233,54.85 37.268,54.85 ccw(c37.268,55.007) 37.425,55.007 37.425,55.192 cw(c37.583,55.192) 37.583,55.35 37.618,55.35 cw(c37.618,55.192) 37.775,55.192 37.775,55.007 ccw(c37.933,55.007) 37.933,54.85 37.968,54.85 ccw(c37.968,55.007) 38.125,55.007 cw(c38.218,55.007) 38.218,55.1 38.383,55.1 cw(c38.383,55.007) 38.475,55.007 ccw(c38.633,55.007) 38.633,54.85 38.668,54.85 ccw(c38.668,55.007) 38.825,55.007 cw(c38.918,55.007) 38.918,55.1 39.35,55.1 39.597,54.853 ccw(c39.721,54.729) 39.845,54.605 cw(c39.969,54.481) 40.092,54.358 ccw(c40.216,54.234) 40.34,54.11 cw(c40.464,53.986) 40.587,53.863 40.835,53.615 cw(c40.959,53.491) 41.082,53.368 41.45,53 41.8,53 ccw(c41.975,53) 42.15,53 U8.V22@43,53 ; U8.V22@42.876,52.876 ccw(c42.578,52.578) 42.578,53 ccw(c42.578,53.422) U8.V22@42.876,53.124
GMII_TXD5: RA1.14 U8.V21 | length 13.2
  Top Layer w0.15: RA1.14@34.95,55.2 35.4,55.2 35.85,55.65 37.95,55.65 cw(c38.125,55.65) 38.3,55.65 ccw(c38.475,55.65) 38.65,55.65 cw(c38.825,55.65) 39,55.65 ccw(c39.175,55.65) 39.35,55.65 39.7,55.65 40.118,55.232 ccw(c40.241,55.109) 40.365,54.985 cw(c40.489,54.861) 40.613,54.737 ccw(c40.736,54.614) 40.86,54.49 cw(c40.984,54.366) 41.108,54.242 ccw(c41.231,54.119) 41.355,53.995 cw(c41.479,53.871) 41.603,53.747 41.85,53.5 42.3,53.5 ccw(c42.475,53.5) 42.65,53.5 43.45,53.5 U8.V21@43.975,52.975 ; 43.616,53.334 ccw(c44,53.718) U8.V21@44,53.175 ; 43.737,53.213 cw(c43.523,53) U8.V21@43.825,53
GMII_TXD6: RA1.15 U8.W22 | length 13.1
  Top Layer w0.15: RA1.15@34.95,55.7 35.4,55.7 36.2,56.5 36.767,56.5 cw(c36.767,56.342) 36.925,56.342 36.925,56.158 ccw(c37.082,56.158) 37.082,56 37.117,56 ccw(c37.117,56.158) 37.275,56.158 37.275,56.342 cw(c37.432,56.342) 37.432,56.5 37.467,56.5 cw(c37.467,56.342) 37.625,56.342 37.625,56.158 ccw(c37.782,56.158) 37.782,56 37.817,56 ccw(c37.817,56.158) 37.975,56.158 37.975,56.342 cw(c38.132,56.342) 38.132,56.5 39.85,56.5 40.079,56.271 cw(c40.185,56.165) 40.291,56.059 ccw(c40.397,55.953) 40.503,55.847 cw(c40.609,55.741) 40.715,55.635 ccw(c40.821,55.529) 40.927,55.423 cw(c41.033,55.317) 41.139,55.211 ccw(c41.245,55.105) 41.351,54.999 cw(c41.458,54.892) 41.564,54.786 ccw(c41.67,54.68) 41.776,54.574 cw(c41.882,54.468) 41.988,54.362 42.35,54 U8.W22@43,54 ; U8.W22@42.876,53.876 ccw(c42.578,53.578) 42.578,54 ccw(c42.578,54.422) U8.W22@42.876,54.124
GMII_TXD7: RA1.16 U8.W20 | length 13.3
  Top Layer w0.15: RA1.16@34.95,56.2 35.45,56.2 36.25,57 37.8,57 cw(c37.95,57) 38.1,57 ccw(c38.25,57) 38.4,57 cw(c38.55,57) 38.7,57 ccw(c38.85,57) 39,57 cw(c39.15,57) 39.3,57 ccw(c39.45,57) 39.6,57 40,57 42.5,54.5 44.5,54.5 U8.W20@45,54 ; U8.W20@44.825,54 ccw(c44.403,54) 44.701,54.299 ccw(c45,54.597) U8.W20@45,54.175